# Altium PCB PCB2.PcbDoc (part 2 of 2)
Units mil, origin at the board's own origin, x right, y up, seen from the top; angles counter-clockwise.
Board outline 2933.07 x 1782.28 mil, 4 copper layers (Top Layer, GND, POW, Bottom Layer), stack 23.756 mil thick; 122 components, 169 nets, 601 pads, 330 vias.
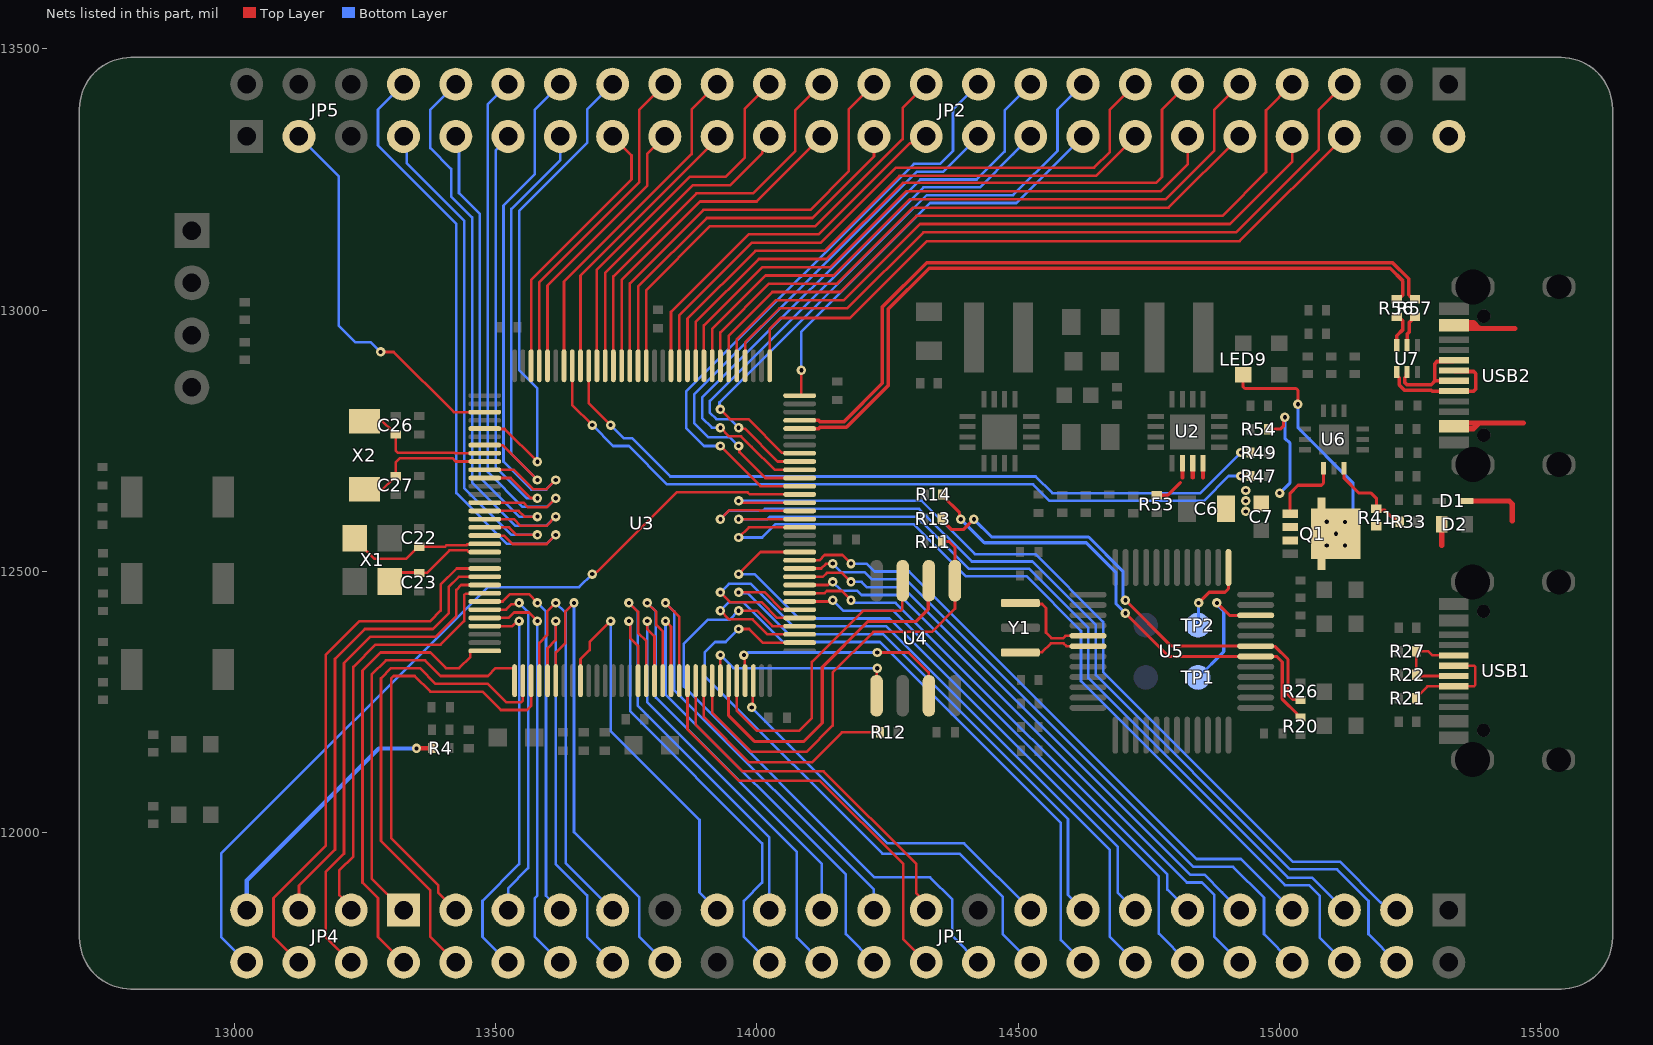
[diagram p4: the nets of this part, all layers, seen from the top]

## Via types
v1: diameter 18, hole 8, Top Layer to Bottom Layer, tented both sides, 326 vias
v2: diameter 196.85, hole 157.48, Top Layer to Bottom Layer, 4 vias

## Nets (pads, with @x,y where several pads share a name; then routed paths per layer and width w, separated by ;. In a path a pad name is that pad's centre, name@x,y a point inside that pad or via, vN(x,y) a via of type N, cw(c..) or ccw(c..) an arc to the next point about the centre after c; other vN are vias at no path point) (continued)
NetU5_5: U5.5 Y1.3 | length 186.7
  Top Layer w5: Y1.3@14503.83,12439.53 14505.65,12437.71 14545.59,12437.71 14553.1,12430.2 14553.1,12382.98 14563.5,12372.57 14586.16,12372.57 14590.4,12376.81 U5.5@14633.38,12376.81
NetU5_6: U5.6 Y1.1 | length 139.1
  Top Layer w5: Y1.1@14503.83,12345.04 14504.6,12345.8 14545.8,12345.8 14562.57,12362.57 14586.42,12362.57 14591.87,12357.13 U5.6@14633.38,12357.13
OSC32_IN: C26.2 U3.8 X2.2 | length 275.1
  Top Layer w5: X2.2@13248.83,12787.24 13283.87,12787.24 13301.49,12769.63 13301.49,12767.66 13306.86,12762.28 C26.2@13308.83,12762.28 13308.83,12731.17 13313.13,12726.87 13421.32,12726.87 13422.05,12726.14 U3.8@13479.25,12726.14
OSC32_OUT: C27.2 U3.9 X2.1 | length 274.5
  Top Layer w5: X2.1@13248.83,12657.32 13283.87,12657.32 13301.49,12674.94 13301.49,12676.91 13306.86,12682.28 C27.2@13308.83,12682.28 13308.83,12708.83 13316.87,12716.87 13417.17,12716.87 13423.65,12710.39 U3.9@13479.25,12710.39
OSC_IN: C22.2 U3.19 X1.1 | length 278.4
  Top Layer w5: X1.1@13230.37,12563.62 13230.37,12561.65 13268.02,12524 13328.58,12524 13351.86,12547.28 13403.36,12547.28 13406.42,12550.34 13444.39,12550.34 13446.19,12552.14 13478.47,12552.14 U3.19@13479.25,12552.91
OSC_OUT: C23.2 U3.20 X1.3 | length 208.5
  Top Layer w5: X1.3@13297.3,12480.94 13314.35,12498 13353.12,12498 C23.2@13353.83,12497.28 13368.4,12497.28 13411.45,12540.34 13445.37,12540.34 13447.76,12537.94 13478.47,12537.94 U3.20@13479.25,12537.17
PA0: JP1.37 U3.27 | length 682
  Top Layer w5: U3.27@13479.25,12426.93 13519.84,12426.93 13530.42,12437.51 13542.51,12437.51 v1(13545,12440)
  Bottom Layer w5: JP1.37@13523.83,11852.28 13523.83,11893.83 13562.29,11932.29 13562.29,12422.71 v1(13545,12440)
PA1: JP1.36 U3.28 | length 786.9
  Top Layer w5: U3.28@13479.25,12411.18 13524.8,12411.18 13535.12,12421.5 13563.5,12421.5 v1(13580,12405)
  Bottom Layer w5: v1(13580,12405) 13580,11880 13575,11875 13575,11801.12 JP1.36@13623.83,11752.28
PA2: JP1.38 U3.29 | length 771.7
  Top Layer w5: U3.29@13479.25,12395.43 13531.92,12395.43 13541.48,12405 v1(13545,12405)
  Bottom Layer w5: JP1.38@13523.83,11752.28 13475,11801.12 13475,11870 13545,11940 v1(13545,12405)
PA3: JP4.2 U3.32 | length 870.7
  Top Layer w5: JP4.2@13323.83,11752.28 13275,11801.12 13275,11875 13245.36,11904.64 13245.36,12310.36 13280,12345 13375,12345 13405,12315 13430,12315 13451.5,12336.5 13451.5,12346.32 13453.38,12348.19 U3.32@13479.25,12348.19
PA4: JP4.1 U3.33 | length 801.9
  Top Layer w5: JP4.1@13323.83,11852.28 13263.03,11913.08 13263.03,12303.03 13290,12330 13365,12330 13395,12300 13485,12300 13500,12315 13534.49,12315 13536.37,12313.13 U3.33@13536.37,12291.07
PA5: JP1.40 U3.34 | length 948.4
  Top Layer w5: JP1.40@13423.83,11752.28 13375,11801.12 13375,11890 13280.71,11984.29 13280.71,12295.71 13300,12315 13355,12315 13385,12285 13485,12285 13520,12250 13549.19,12250 13552.12,12252.93 U3.34@13552.12,12291.07
PA6: JP1.39 U3.35 | length 842.3
  Top Layer w5: JP1.39@13423.83,11852.28 13390,11886.12 13390,11900 13300,11990 13300,12295 13305,12300 13345,12300 13375,12270 13475,12270 13510,12235 13560,12235 13567.86,12242.86 U3.35@13567.86,12291.07
PA7: JP1.33 U3.36 | length 794.7
  Top Layer w5: U3.36@13583.61,12291.07 13583.61,12363.61 13598.5,12378.5 13598.5,12423.5 v1(13615,12440)
  Bottom Layer w5: v1(13615,12440) 13633.9,12421.1 13633.9,11942.22 JP1.33@13723.83,11852.28
PA8: JP2.15 U3.89 | length 1194.3
  Top Layer w5: v1(13930,12810) 13948.5,12791.5 13983.5,12791.5 14048.08,12726.92 14080.9,12726.92 U3.89@14081.67,12726.14
  Bottom Layer w5: v1(13930,12810) 13928.42,12811.58 13928.42,12823.57 14324.85,13220 14490.34,13220 14575,13304.66 14575,13383.45 JP2.15@14623.83,13432.28
PA13: JP2.16 U3.96 | length 818.5
  Top Layer w5: U3.96@14081.5,12836.21 U3.96@14081.67,12836.38 14083.13,12836.38 14085,12838.25 v1(14085,12885)
  Bottom Layer w5: v1(14085,12885) 14085,12958.93 14331.07,13205 14496.55,13205 14590,13298.45 JP2.16@14623.83,13332.28
PB2: JP1.29 U3.41 | length 775
  Top Layer w5: U3.41@13662.35,12291.07 13662.35,12332.12 13680,12349.77 13680,12365 v1(13720,12405)
  Bottom Layer w5: v1(13720,12405) 13720,12195 13890,12025 13890,11886.12 JP1.29@13923.83,11852.28
PB3: JP2.27 U3.118 | length 715.7
  Top Layer w5: U3.118@13693.85,12893.5 13693.85,13077.47 13871.37,13255 13940,13255 13976.37,13291.37 13976.37,13384.82 JP2.27@14023.83,13432.28
PB5: JP2.30 U3.120 | length 547.1
  Top Layer w5: U3.120@13662.35,12893.5 13662.35,13065.98 13923.83,13327.46 JP2.30@13923.83,13332.28
PB7: JP2.29 U3.122 | length 660.1
  Top Layer w5: U3.122@13630.86,12893.5 13630.86,13054.48 13875,13298.63 13875,13383.45 JP2.29@13923.83,13432.28
PB9: JP2.32 U3.124 | length 531.8
  Top Layer w5: U3.124@13599.36,12893.5 13599.36,13047.09 13790,13237.73 13790,13298.45 JP2.32@13823.83,13332.28
PB10: JP1.17 U3.62 | length 746.8
  Top Layer w5: v1(13990,12240) 13992.28,12242.28 13992.28,12290.3 U3.62@13993.06,12291.07
  Bottom Layer w5: v1(13990,12240) 14250,11980 14396.12,11980 JP1.17@14523.83,11852.28
PB12: JP1.18 U3.66 | length 1148.8
  Top Layer w5: v1(13965,12390) 13985,12390 14011.06,12363.94 U3.66@14081.67,12363.94
  Bottom Layer w5: v1(13965,12390) 13940,12365 13920,12365 13900,12345 13900,12300 14240,11960 14387.83,11960 14470,11877.83 14470,11806.12 JP1.18@14523.83,11752.28
PB13: JP1.16 U3.67 | length 1287.7
  Top Layer w5: v1(13930,12425) 13946.5,12408.5 13991.5,12408.5 14020.31,12379.69 U3.67@14081.67,12379.69
  Bottom Layer w5: v1(13930,12425) 13946.5,12441.5 13973.5,12441.5 14050,12365 14235,12365 14581.37,12018.63 14581.37,11794.75 JP1.16@14623.83,11752.28
PB14: JP1.20 U3.68 | length 1165.4
  Top Layer w5: v1(13965,12425) 14000,12425 14029.57,12395.43 U3.68@14081.67,12395.43
  Bottom Layer w5: v1(13965,12425) 13947.58,12407.58 13905.58,12407.58 13860,12362 13860,12280 14225,11915 14331.12,11915 14373.87,11872.25 14373.87,11802.25 JP1.20@14423.83,11752.28
PB15: JP1.14 U3.69 | length 1370
  Top Layer w5: v1(13930,12460) 13948.5,12441.5 14008.5,12441.5 14038.82,12411.18 U3.69@14081.67,12411.18
  Bottom Layer w5: v1(13930,12460) 13946.5,12476.5 13988.5,12476.5 14070,12395 14247.43,12395 14675,11967.43 14675,11801.12 JP1.14@14723.83,11752.28
PC0: JP4.6 U3.22 | length 1051.5
  Top Layer w5: JP4.6@13123.83,11752.28 13075,11801.12 13075,11875 13175,11975 13175,12340 13240,12405 13375,12405 13395,12425 13395,12475 13425.67,12505.67 U3.22@13479.25,12505.67
PC1: JP4.5 U3.23 | length 889.9
  Top Layer w5: JP4.5@13123.83,11852.28 13123.83,11898.83 13192.68,11967.68 13192.68,12332.68 13250,12390 13380,12390 13410,12420 13410,12470 13429.92,12489.92 U3.23@13479.25,12489.92
PC2: JP4.4 U3.24 | length 967.8
  Top Layer w5: JP4.4@13223.83,11752.28 13175,11801.12 13175,11925 13210,11960 13210,12325 13260,12375 13385,12375 13425,12415 13425,12465 13434.17,12474.17 U3.24@13479.25,12474.17
PC3: JP4.3 U3.25 | length 824.8
  Top Layer w5: JP4.3@13223.83,11852.28 13223.83,11857.85 13201.11,11880.57 13201.11,11928.44 13227.68,11955 13227.68,12317.68 13270,12360 13395,12360 13440,12405 13440,12454.72 13442.93,12457.65 13478.47,12457.65 U3.25@13479.25,12458.43
PC4: JP1.34 U3.37 | length 818.2
  Top Layer w5: U3.37@13599.36,12291.07 13599.36,12352.88 13615,12368.52 v1(13615,12405)
  Bottom Layer w5: v1(13615,12405) 13615,11940 13675,11880 13675,11801.12 JP1.34@13723.83,11752.28
PC5: JP1.32 U3.38 | length 923.1
  Top Layer w5: U3.38@13615.11,12291.07 13615.11,12345.11 13633.5,12363.5 13633.5,12423.5 v1(13650,12440)
  Bottom Layer w5: v1(13650,12440) 13650,12001.11 13775,11876.11 13775,11801.12 JP1.32@13823.83,11752.28
PC6: JP1.6 U3.80 | length 1744.1
  Top Layer w5: v1(13965,12565) 13984.41,12584.41 U3.80@14081.67,12584.41
  Bottom Layer w5: v1(13965,12565) 14010,12565 14035,12590 14300.29,12590 14399.39,12490.9 14515.35,12490.9 14620,12386.25 14620,12290 15010,11900 15056.12,11900 15076.37,11879.75 15076.37,11799.75 JP1.6@15123.83,11752.28
PC7: JP1.5 U3.81 | length 1645.8
  Top Layer w5: v1(13965,12600) 13965.08,12600.08 14081.6,12600.08 U3.81@14081.67,12600.16
  Bottom Layer w5: v1(13965,12600) 14020,12600 14025,12605 14305.29,12605 14405.25,12505.04 14521.21,12505.04 14634.14,12392.11 14634.14,12295.86 15015.86,11914.14 15061.97,11914.14 JP1.5@15123.83,11852.28
PC8: JP2.17 U3.87 | length 1190
  Top Layer w5: v1(13930,12775) 13946.5,12758.5 13969.83,12758.5 13990,12738.33 14033.69,12694.65 U3.87@14081.67,12694.65
  Bottom Layer w5: v1(13930,12775) 13913.67,12775 13895,12793.67 13895,12832.57 14312.43,13250 14420.34,13250 14473.87,13303.53 14473.87,13382.32 JP2.17@14523.83,13432.28
PC9: JP2.18 U3.88 | length 1056.4
  Top Layer w5: v1(13965,12775) 13966.67,12773.33 13976.67,12773.33 14039.61,12710.39 U3.88@14081.67,12710.39
  Bottom Layer w5: v1(13965,12775) 13948.5,12791.5 13922.17,12791.5 13910,12803.67 13910,12826.36 14318.64,13235 14426.55,13235 14490,13298.45 JP2.18@14523.83,13332.28
PC10: JP2.5 U3.100 | length 1440.2
  Top Layer w5: U3.100@13977.31,12893.5 13977.31,12937.91 14042.67,13003.27 14172.65,13003.27 14318.36,13148.98 14916.48,13148.98 15075,13307.5 15075,13383.45 JP2.5@15123.83,13432.28
PC11: JP2.8 U3.101 | length 1302.2
  Top Layer w5: U3.101@13961.56,12893.5 13961.56,12944.44 14036.14,13019.02 14166.12,13019.02 14311.84,13164.73 14904.73,13164.73 15023.83,13283.83 JP2.8@15023.83,13332.28
PC12: JP2.7 U3.102 | length 1404.2
  Top Layer w5: U3.102@13945.82,12893.5 13945.82,12950.96 14029.62,13034.76 14159.6,13034.76 14305.31,13180.48 14890.48,13180.48 14973.87,13263.87 14973.87,13382.32 JP2.7@15023.83,13432.28
PC13: JP2.36 U3.7 | length 845.3
  Top Layer w5: U3.7@13479.25,12741.89 13479.31,12741.83 13513.17,12741.83 v1(13580,12675)
  Bottom Layer w5: v1(13580,12675) 13530,12725 13530,13193.79 13623.83,13287.62 JP2.36@13623.83,13332.28
PD0: JP2.13 U3.108 | length 1199.6
  Top Layer w5: U3.108@13851.33,12893.5 13851.33,12990.1 13990.48,13129.25 14122.28,13129.25 14265.74,13272.72 14645,13272.72 14675,13302.72 14675,13383.45 JP2.13@14723.83,13432.28
PD1: JP2.22 U3.109 | length 730.4
  Top Layer w5: U3.109@13835.58,12893.5 13835.58,12996.62 13983.96,13145 14118.02,13145 14292,13318.97 14294.83,13318.97 14308.14,13332.28 JP2.22@14323.83,13332.28
PD2: JP2.21 U3.112 | length 878.4
  Top Layer w5: U3.112@13788.34,12893.5 13788.34,13038.34 13910.51,13160.51 14111.6,13160.51 14278.58,13327.5 14278.58,13387.03 JP2.21@14323.83,13432.28
PD3: JP2.24 U3.113 | length 744.2
  Top Layer w5: U3.113@13772.59,12893.5 13772.59,13044.86 13903.99,13176.26 14106.26,13176.26 14223.83,13293.83 JP2.24@14223.83,13332.28
PD4: JP2.23 U3.114 | length 852
  Top Layer w5: U3.114@13756.84,12893.5 13756.84,13051.38 13897.47,13192.01 14102.01,13192.01 14175.42,13265.42 14175.42,13383.87 JP2.23@14223.83,13432.28
PD5: JP2.26 U3.115 | length 660.8
  Top Layer w5: U3.115@13741.09,12893.5 13741.09,13057.9 13890.94,13207.76 13999.3,13207.76 JP2.26@14123.83,13332.28
PD6: JP2.25 U3.116 | length 767.3
  Top Layer w5: U3.116@13725.34,12893.5 13725.34,13064.43 13884.42,13223.5 13992.78,13223.5 14073.12,13303.84 14073.12,13381.57 JP2.25@14123.83,13432.28
PD7: JP2.28 U3.117 | length 610.7
  Top Layer w5: U3.117@13709.6,12893.5 13709.6,13070.95 13877.9,13239.25 13949.25,13239.25 14010.48,13300.48 14010.48,13303.24 14023.83,13316.59 JP2.28@14023.83,13332.28
PD8: JP1.15 U3.70 | length 1125.9
  Top Layer w5: v1(13965,12460) 14015,12460 14047.29,12427.71 14080.9,12427.71 U3.70@14081.67,12426.93
  Bottom Layer w5: v1(13965,12460) 13966.5,12458.5 13981.5,12458.5 14060,12380 14241.21,12380 14595,12026.21 14595,11881.12 JP1.15@14623.83,11852.28
PD9: JP1.12 U3.71 | length 1093.8
  Top Layer w5: U3.71@14081.67,12442.68 14142.68,12442.68 v1(14145,12445)
  Bottom Layer w5: v1(14145,12445) 14165,12425 14260,12425 14768.87,11916.13 14768.87,11807.25 JP1.12@14823.83,11752.28
PD10: JP1.11 U3.72 | length 1013.7
  Top Layer w5: U3.72@14081.67,12458.43 14129.64,12458.43 14133.89,12462.68 14162.32,12462.68 v1(14180,12445)
  Bottom Layer w5: v1(14180,12445) 14183.52,12445 14188.52,12440 14265,12440 14785,11920 14785,11891.12 JP1.11@14823.83,11852.28
PD11: JP1.10 U3.73 | length 1192.9
  Top Layer w5: U3.73@14081.67,12474.17 14135.66,12474.17 14141.48,12480 v1(14145,12480)
  Bottom Layer w5: v1(14145,12480) 14161.5,12463.5 14191.5,12463.5 14200,12455 14272.43,12455 14822.43,11905 14851.12,11905 14875,11881.12 14875,11801.12 JP1.10@14923.83,11752.28
PD12: JP1.9 U3.74 | length 1112.5
  Top Layer w5: U3.74@14081.67,12489.92 14126.25,12489.92 14133.71,12497.38 14162.62,12497.38 v1(14180,12480)
  Bottom Layer w5: v1(14180,12480) 14200,12480 14210,12470 14278.64,12470 14828.64,11920 14856.12,11920 14890,11886.12 JP1.9@14923.83,11852.28
PD13: JP1.8 U3.75 | length 1302.8
  Top Layer w5: U3.75@14081.67,12505.67 14122.77,12505.67 14131.88,12514.78 14144.78,12514.78 v1(14145,12515)
  Bottom Layer w5: v1(14145,12515) 14161.5,12498.5 14206.5,12498.5 14220,12485 14284.85,12485 14834.85,11935 14910.86,11935 14970,11875.86 14970,11806.12 JP1.8@15023.83,11752.28
PD14: JP1.7 U3.76 | length 1227.7
  Top Layer w5: U3.76@14081.67,12521.42 14119.28,12521.42 14129.36,12531.5 14163.5,12531.5 v1(14180,12515)
  Bottom Layer w5: v1(14180,12515) 14210,12515 14225,12500 14291.07,12500 14841.07,11950 14926.12,11950 14985.61,11890.51 JP1.7@15023.83,11852.28
PD15: JP1.13 U3.77 | length 1210.5
  Top Layer w5: v1(13965,12495) 14007.17,12537.17 U3.77@14081.67,12537.17
  Bottom Layer w5: v1(13965,12495) 13995,12495 14080,12410 14253.64,12410 14690,11973.64 14690,11886.12 JP1.13@14723.83,11852.28
PE0: JP2.31 U3.125 | length 638.3
  Top Layer w5: U3.125@13583.61,12893.5 13583.61,13053.61 13775,13245 13775,13383.45 JP2.31@13823.83,13432.28
PE1: JP2.34 U3.126 | length 533.4
  Top Layer w5: U3.126@13567.86,12893.5 13567.86,13057.86 13760,13250 13760,13296.12 JP2.34@13723.83,13332.28
PE4: JP5.3 U3.3 | length 741.5
  Top Layer w5: v1(13280,12920) 13305,12920 13420.12,12804.88 U3.3@13479.25,12804.88
  Bottom Layer w5: JP5.3@13123.83,13332.28 13200,13256.12 13200,12970 13231.5,12938.5 13261.5,12938.5 v1(13280,12920)
PE6: JP2.33 U3.5 | length 937.9
  Top Layer w5: U3.5@13479.25,12773.39 13480.02,12772.61 13517.39,12772.61 v1(13580,12710)
  Bottom Layer w5: v1(13580,12710) 13580,12850 13545,12885 13545,13190 13675,13320 13675,13383.45 JP2.33@13723.83,13432.28
PE7: JP1.23 U3.53 | length 912.8
  Top Layer w5: v1(13825,12440) 13842.3,12422.7 13851.33,12413.67 U3.53@13851.33,12291.07
  Bottom Layer w5: v1(13825,12440) 13841.5,12423.5 13841.5,12273.5 14223.72,11891.28 14223.72,11852.39 JP1.23@14223.83,11852.28
PE8: JP1.22 U3.54 | length 818.8
  Top Layer w5: U3.54@13867.08,12291.07 13867.08,12197.92 13965,12100 14120,12100 14280,11940 14280,11796.12 JP1.22@14323.83,11752.28
PE9: JP1.21 U3.55 | length 712.3
  Top Layer w5: U3.55@13882.82,12291.07 13882.82,12207.18 13972.32,12117.68 14127.32,12117.68 14305,11940 14305,11884.21 14323.83,11865.38 JP1.21@14323.83,11852.28
PF2: JP1.35 U3.26 | length 719.2
  Top Layer w5: U3.26@13479.25,12442.68 13513.53,12442.68 13527.35,12456.5 13563.5,12456.5 v1(13580,12440)
  Bottom Layer w5: v1(13580,12440) 13596.5,12423.5 13596.5,11879.62 JP1.35@13623.83,11852.28
PF3: JP2.35 U3.10 | length 1055.6
  Top Layer w5: U3.10@13479.25,12694.65 13534.43,12694.65 13571.63,12657.45 13597.45,12657.45 v1(13615,12675)
  Bottom Layer w5: v1(13615,12675) 13596.5,12656.5 13568.5,12656.5 13515,12710 13515,13200 13575,13260 13575,13383.45 JP2.35@13623.83,13432.28
PF4: JP2.38 U3.11 | length 863.9
  Top Layer w5: U3.11@13479.25,12678.9 13528.8,12678.9 13567.04,12640.66 13579.34,12640.66 v1(13580,12640)
  Bottom Layer w5: JP2.38@13523.83,13332.28 13523.83,13328.94 13500,13305.11 13500,12700 13560,12640 v1(13580,12640)
PF5: JP2.37 U3.14 | length 1069.6
  Top Layer w5: U3.14@13479.25,12631.65 13553.35,12631.65 13562.45,12622.55 13597.55,12622.55 v1(13615,12640)
  Bottom Layer w5: JP2.37@13523.83,13432.28 13484.84,13393.29 13484.84,13250.16 13485,13250 13485,12690 13551.5,12623.5 13598.5,12623.5 v1(13615,12640)
PF6: JP2.6 U3.97 | length 1322.7
  Top Layer w5: U3.97@14024.56,12893.5 14024.56,12964.56 14045,12985 14178.02,12985 14325,13131.97 14923.52,13131.97 JP2.6@15123.83,13332.28
PF7: JP2.40 U3.15 | length 917.7
  Top Layer w5: U3.15@13479.25,12615.91 13544.09,12615.91 13555,12605 v1(13580,12605)
  Bottom Layer w5: JP2.40@13423.83,13332.28 13430,13326.12 13430,13223.64 13470,13183.64 13470,12680 13545,12605 v1(13580,12605)
PF8: JP2.39 U3.16 | length 1165.3
  Top Layer w5: U3.16@13479.25,12600.16 13534.84,12600.16 13547.6,12587.4 13597.4,12587.4 v1(13615,12605)
  Bottom Layer w5: JP2.39@13423.83,13432.28 13375,13383.45 13375,13310 13415,13270 13415,13217.43 13455,13177.43 13455,12670 13537.42,12587.58 13597.58,12587.58 v1(13615,12605)
PF9: JP5.7 U3.17 | length 1004.4
  Top Layer w5: U3.17@13479.25,12584.41 13525.59,12584.41 13540,12570 v1(13580,12570)
  Bottom Layer w5: JP5.7@13323.83,13332.28 13330,13326.12 13330,13281.21 13440,13171.21 13440,12660 13530,12570 v1(13580,12570)
PF10: JP5.8 U3.18 | length 1251.6
  Top Layer w5: U3.18@13479.25,12568.66 13516.34,12568.66 13532.33,12552.67 13597.67,12552.67 v1(13615,12570)
  Bottom Layer w5: JP5.8@13323.83,13432.28 13275,13383.45 13275,13315 13425,13165 13425,12650 13522.2,12552.8 13597.8,12552.8 v1(13615,12570)
PF11: JP1.28 U3.48 | length 914.3
  Top Layer w5: v1(13755,12405) 13757.32,12402.68 13757.32,12372.68 13772.59,12357.41 U3.48@13772.59,12291.07
  Bottom Layer w5: v1(13755,12405) 13757.32,12402.68 13757.32,12232.68 14010,11980 14010,11905 13975,11870 13975,11801.12 JP1.28@14023.83,11752.28
PF12: JP1.27 U3.49 | length 861.8
  Top Layer w5: v1(13755,12440) 13772.57,12422.43 13772.57,12382.43 13788.34,12366.66 U3.49@13788.34,12291.07
  Bottom Layer w5: v1(13755,12440) 13772.04,12422.96 13772.04,12242.96 14023.83,11991.17 JP1.27@14023.83,11852.28
PF13: JP1.26 U3.50 | length 910.8
  Top Layer w5: v1(13790,12405) 13790,12390 13804.08,12375.92 U3.50@13804.08,12291.07
  Bottom Layer w5: v1(13790,12405) 13790,12250 14076.37,11963.63 14076.37,11799.75 JP1.26@14123.83,11752.28
PF14: JP1.25 U3.51 | length 887.3
  Top Layer w5: v1(13790,12440) 13807.44,12422.56 13807.44,12397.56 13819.83,12385.17 U3.51@13819.83,12291.07
  Bottom Layer w5: v1(13790,12440) 13806.5,12423.5 13806.5,12258.5 14123.83,11941.17 JP1.25@14123.83,11852.28
PF15: JP1.24 U3.52 | length 936.2
  Top Layer w5: v1(13825,12405) 13835.58,12394.42 U3.52@13835.58,12291.07
  Bottom Layer w5: v1(13825,12405) 13825,12265 14170,11920 14170,11806.12 JP1.24@14223.83,11752.28
PG0: JP1.4 U3.82 | length 1914.8
  Top Layer w5: v1(13930,12600) 13947.39,12617.39 14004.31,12617.39 14005.8,12615.91 U3.82@14081.67,12615.91
  Bottom Layer w5: v1(13930,12600) 13946.5,12616.5 14011.5,12616.5 14015,12620 14310.29,12620 14411.1,12519.19 14527.06,12519.19 14648.28,12397.96 14648.28,12301.72 15020,11930 15110,11930 15170,11870 15170,11806.12 JP1.4@15223.83,11752.28
PG1: JP1.3 U3.83 | length 1757.5
  Top Layer w5: v1(13965,12635) 13968.52,12635 13971.86,12631.65 U3.83@14081.67,12631.65
  Bottom Layer w5: v1(13965,12635) 14315.29,12635 14416.96,12533.33 14532.92,12533.33 14662.43,12403.82 14662.43,12307.57 15025,11945 15115,11945 15193.2,11866.8 15193.62,11866.8 15208.14,11852.28 JP1.3@15223.83,11852.28
PG2: JP4.8 U3.84 | length 1622.7
  Top Layer w5: v1(13685,12495) 13688.52,12495 13692.68,12499.17 13694.17,12499.17 13846.5,12651.5 13982.14,12651.5 13986.24,12647.4 U3.84@14081.67,12647.4
  Bottom Layer w5: JP4.8@13023.83,11752.28 12975,11801.12 12975,11960 13485,12470 13660,12470 v1(13685,12495)
PG3: JP2.19 U3.85 | length 1182
  Top Layer w5: v1(13930,12740) 14006.85,12663.15 U3.85@14081.67,12663.15
  Bottom Layer w5: v1(13930,12740) 13898.67,12740 13865,12773.67 13865,12845 14300,13280 14350.34,13280 14375,13304.66 14375,13383.45 JP2.19@14423.83,13432.28
PG4: JP2.20 U3.86 | length 1054.3
  Top Layer w5: v1(13965,12740) 13966.67,12738.33 13966.67,12728.33 14016.1,12678.9 U3.86@14081.67,12678.9
  Bottom Layer w5: v1(13965,12740) 13948.5,12756.5 13907.17,12756.5 13880,12783.67 13880,12838.79 14306.21,13265 14356.55,13265 14390,13298.45 JP2.20@14423.83,13332.28
PG5: JP2.10 U3.103 | length 1213
  Top Layer w5: U3.103@13930.07,12893.5 13930.07,12957.48 14023.1,13050.51 14153.08,13050.51 14298.79,13196.22 14787.77,13196.22 JP2.10@14923.83,13332.28
PG6: JP2.9 U3.104 | length 1319.5
  Top Layer w5: U3.104@13914.32,12893.5 13914.32,12964 14016.58,13066.26 14146.55,13066.26 14292.27,13211.97 14781.25,13211.97 14875,13305.72 14875,13383.45 JP2.9@14923.83,13432.28
PG7: JP2.12 U3.105 | length 1183.4
  Top Layer w5: U3.105@13898.57,12893.5 13898.57,12970.53 14010.05,13082.01 14140.03,13082.01 14285.74,13227.72 14772.72,13227.72 14823.83,13278.83 JP2.12@14823.83,13332.28
PG8: JP2.11 U3.106 | length 1288.4
  Top Layer w5: U3.106@13882.82,12893.5 13882.82,12977.05 14003.53,13097.76 14133.51,13097.76 14279.22,13243.47 14763.47,13243.47 14775,13255 14775,13383.45 JP2.11@14823.83,13432.28
PG9: JP2.14 U3.107 | length 1091.3
  Top Layer w5: U3.107@13867.08,12893.5 13867.08,12983.57 13997.01,13113.5 14128.8,13113.5 14272.27,13256.97 14648.52,13256.97 JP2.14@14723.83,13332.28
QSPI_CLK: R12.1 U3.56 | length 466
  Top Layer w5: U3.56@13898.57,12291.07 13898.57,12221.43 13985,12135 14105,12135 14162.28,12192.28 R12.1@14235.37,12192.28
QSPI_CS: R11.2 U3.57 U4.1 | length 876.4
  Top Layer w5: U3.57@13914.32,12291.07 13914.32,12230.68 13990,12155 14095,12155 14145,12205 14145,12307.09 14222.54,12384.63 14334.63,12384.63 14378.83,12428.83 U4.1@14378.83,12482.28 14378.83,12546.17 14367.72,12557.28 R11.2@14353.83,12557.28
QSPI_IO0: U3.58 U4.5 | length 417.5
  Top Layer w5: U3.58@13930.03,12291.1 v1(13930,12340) ; U4.5@14228.83,12262.28 14229.42,12262.87 14229.42,12319.42 v1@14230,12320
  Bottom Layer w5: v1(13930,12340) 13955,12315 v1(14230,12315)
QSPI_IO1: U3.59 U4.2 | length 691.6
  Top Layer w6: U3.59@13945.82,12291.07 13945.82,12224.18 13995,12175 14090,12175 14125,12210 14125,12317.09 14212.54,12404.63 14304.63,12404.63 14327.71,12427.71 14327.71,12481.16 U4.2@14328.83,12482.28
QSPI_IO2: U3.60 U4.3 | length 604
  Top Layer w5: U3.60@13961.56,12291.07 13961.56,12233.44 14000,12195 14080,12195 14105,12220 14105,12327.09 14202.54,12424.63 14274.84,12424.63 14277.77,12427.55 14277.77,12481.22 U4.3@14278.83,12482.28
QSPI_IO3: U3.61 U4.7 | length 466
  Top Layer w5: v1(13975,12340) 13976.54,12338.46 13976.54,12291.85 U3.61@13977.31,12291.07 ; v1(14230,12345) 14290.34,12345 14328.49,12306.85 14328.49,12262.63 U4.7@14328.83,12262.28
  Bottom Layer w5: v1(13975,12340) 13978.52,12340 13983.52,12345 v1(14230,12345)
SENSE: R33.2 R41.1 U6.6 | length 173.1
  Top Layer w6: U6.6@15123.4,12697.48 15123.4,12678.47 15151.87,12650 15175,12650 15185,12640 R41.1@15185,12620 15187.19,12617.81 15200.33,12617.81 15216.29,12601.84 15225.13,12601.84 15230,12596.97 R33.2@15230,12595
ST_RX: R13.1 R26.1 U5.31 | length 917
  Top Layer w6: R13.1@14353.63,12600.87 14353.63,12598.9 14372.53,12580 14395,12580 v1(14415,12600) ; v1(14705,12445) 14792.87,12357.13 U5.31@14954.28,12357.13 14955.24,12356.17 14991.7,12356.17 15016,12331.87 15016,12264 15025,12255 15039.25,12255 R26.1@15040,12254.25
  Bottom Layer w6: v1(14415,12600) 14448.98,12566 14634.56,12566 14700,12500.56 14700,12453.25 14705,12448.25 v1(14705,12445)
ST_SWCLK: TP2.1 U5.37 | length 152.2
  Top Layer w6: v1(14845,12440) 14865.33,12460.33 14895.33,12460.33 14902.1,12467.1 U5.37@14902.1,12507.73
  Bottom Layer w6: TP2.1@14843.83,12397.28 14844.42,12397.87 14844.42,12439.42 v1(14845,12440)
ST_SWDIO: TP1.1 U5.34 | length 252.9
  Top Layer w6: v1(14880,12440) 14903.99,12416.01 14954.11,12416.01 U5.34@14954.28,12416.18
  Bottom Layer w6: TP1.1@14843.83,12297.28 14893.16,12346.61 14893.16,12423.6 14880,12436.75 v1(14880,12440)
ST_TX: R14.1 R20.1 U5.30 | length 947
  Top Layer w6: R14.1@14354.58,12647.29 14354.58,12645.32 14387.7,12612.2 14387.7,12602.3 v1(14390,12600) ; v1(14705,12420) 14787.56,12337.44 U5.30@14954.28,12337.44 14994.39,12337.44 15005,12326.83 15005,12255.75 15033.16,12227.59 15033.16,12225.63 15038.03,12220.75 R20.1@15040,12220.75
  Bottom Layer w6: v1(14390,12600) 14435,12555 14630,12555 14687.12,12497.88 14687.12,12437.88 v1(14705,12420)
USB_DEBUG_N: R21.2 USB1.A7 USB1.B7 | length 200.5
  Top Layer w5: R21.2@15261.55,12259.25 15282.67,12280.38 USB1.B7@15333.2,12280.38 15371.39,12280.38 15374.32,12283.31 15374.32,12316.82 15371.39,12319.75 USB1.A7@15333.2,12319.75
  Top Layer w6: R21.2@15261.55,12257.28 R21.2@15261.55,12259.25
USB_DEBUG_P: R22.2 R27.1 USB1.A6 USB1.B6 | length 192.5
  Top Layer w5: R22.2@15261.55,12302.28 R27.1@15261.55,12347.28 15284.57,12347.28 15292.42,12339.44 USB1.B6@15333.2,12339.44 ; R22.2@15263.76,12300.07 USB1.A6@15333.2,12300.07
  Top Layer w6: R22.2@15261.55,12302.28 R22.2@15263.76,12300.07
USB_N: R56.1 U3.92 | length 1418.8
  Top Layer w6.89: U3.92@14081.67,12773.39 14117.95,12773.39 14120.37,12775.81 14171.22,12775.81 14250.89,12855.49 14250.89,13001.47 14329.42,13080 15211.45,13080 15235.89,13055.56 15235.89,13029.21 15231.85,13025.18 15228.26,13025.18 R56.1@15223.83,13020.75
USB_P: R57.1 U3.93 | length 1436.8
  Top Layer w6.89: U3.93@14081.67,12789.13 14118.23,12789.13 14120.66,12786.7 14166.7,12786.7 14240,12860 14240,13005.98 14324.91,13090.89 15215.96,13090.89 15246.78,13060.07 15246.78,13029.21 15250.81,13025.18 15254.4,13025.18 R57.1@15258.83,13020.75
USB_PD_CC1: R47.1 U3.121 | length 1468.4
  Top Layer w5: U3.121@13646.6,12893.5 13646.6,12818.4 v1(13685,12780)
  Top Layer w6: v1(14925.89,12682.6) R47.1@14944.25,12682.6
  Bottom Layer w5: v1(13685,12780) 13725,12740 13755,12740 13828.26,12666.74 14528.26,12666.74 14560,12635 14855,12635 14902.6,12682.6 v1(14925.89,12682.6)
USB_PD_CC2: R49.1 U3.119 | length 1441.1
  Top Layer w5: U3.119@13678.1,12893.5 13678.1,12821.9 v1(13720,12780)
  Top Layer w6: v1(14925.89,12727.6) R49.1@14944.25,12727.6
  Bottom Layer w5: v1(13720,12780) 13745,12755 13761.21,12755 13834.49,12681.73 14533.27,12681.73 14565,12650 14848.29,12650 v1(14925.89,12727.6)
USB_PD_N: U7.1 USB2.A7 USB2.B7 | length 252.8
  Top Layer w6.89: U7.1@15224.15,12881.69 15224.15,12874.8 15228.54,12870.41 15228.54,12856.93 15238.96,12846.51 15290.27,12846.51 15291.73,12845.05 15370.96,12845.05 15375,12849.09 15375,12878.64 15370.96,12882.67 15335.54,12882.67 USB2.A7@15333.79,12884.42
USB_PD_P: U7.2 USB2.A6 USB2.B6 | length 193.4
  Top Layer w6.89: U7.2@15243.83,12881.69 15242.36,12880.22 15242.36,12873.33 15239.43,12870.41 15239.43,12861.44 15243.47,12857.4 15289.76,12857.4 15297.09,12864.74 ; USB2.A6@15333.79,12864.74 15297.09,12864.74 ; USB2.B6@15333.79,12904.11 15331.33,12901.65 15301.13,12901.65 15297.09,12897.61 15297.09,12864.74
USB_R_N: R56.2 U7.6 | length 66.4
  Top Layer w6.89: R56.2@15223.83,12987.28 15228.26,12982.85 15231.85,12982.85 15235.89,12978.82 15235.89,12962.97 15224.15,12951.23 U7.6@15224.15,12932.87
USB_R_P: R57.2 U7.5 | length 61.8
  Top Layer w6.89: U7.5@15243.83,12932.87 15243.83,12954.1 15247.92,12958.19 15247.92,12976.37 15252.43,12980.89 15252.43,12982.85 15256.86,12987.28 R57.2@15258.83,12987.28
VCC_DP_IN: D1.1 D2.2 LED9.1 Q1.3 R41.2 USB2.A4 USB2.A9 USB2.B4 USB2.B9 | length 1084.2
  Top Layer w6: LED9.1@14930,12875.97 14930,12853.51 14933.51,12850 15031.49,12850 15035,12846.49 v1@15035,12824.14
  Top Layer w10: Q1.3@15080.04,12513.54 15080.04,12544.65 v1(15107.6,12572.2) 15080.04,12599.76 Q1.3@15080.04,12630.87 ; 15310,12550 D2.2@15310,12590 ; USB2.A4@15333.79,12772.22 15334.7,12773.12 15370.77,12773.12 15373.79,12776.15 15381.24,12783.6 15380.81,12784.03 ; USB2.B9@15333.79,12784.03 15380.81,12784.03 ; USB2.B4@15333.79,12965.13 15381.67,12965.13 ; USB2.A9@15333.79,12976.94 15334.7,12976.04 15370.77,12976.04 15381.67,12965.13 ; D1.1@15358.15,12635 15439.14,12635 15445,12629.14 15445,12596.85 ; 15450,12965 15381.8,12965 15381.67,12965.13 ; 15466.49,12784.03 15380.81,12784.03
  Bottom Layer w6: v1(15035,12820) 15035,12775 15140,12670 15140,12609.21 v1(15125.2,12594.41)
  other v1: 15090,12550 15125,12550 15090,12595
VCC_DP_OUT: C6.2 C7.2 JP2.2 Q1.2 R53.1 R54.1 U2.10 U2.11 U2.12 U6.4 | length 484.1
  Top Layer w6: R53.1@14765,12645.75 14785.75,12645.75 14810,12670 ; R54.1@14977.71,12772.28 15001.49,12772.28 15007.7,12778.5 15007.7,12792.7 v1(15010,12795) ; Q1.2@15020,12610.59 15020,12650 15035,12665 15080,12665 15084.03,12669.03 U6.4@15084.03,12697.48
  Top Layer w8: 14813.99,12680 U2.10@14813.99,12707.28 ; 14833.67,12680 U2.11@14833.67,12707.28 ; 14853.36,12680 U2.12@14853.36,12707.28
  Bottom Layer w6: v1(15000,12650) 15020,12670 15020,12745 15010,12755 v1(15010,12795)
  other v1: 14935,12615 14935,12635 14935,12655
VREFP: JP4.7 R4.1 | length 515.2
  Top Layer w8: v1(13348.6,12161.42) 13349.03,12161.85 R4.1@13377.65,12161.85
  Bottom Layer w8: JP4.7@13023.83,11852.28 13023.83,11908.83 13276.42,12161.42 v1(13348.6,12161.42)
pads on no net: U5.2 U5.3 U5.4 U5.10 U5.11 U5.13 U5.15 U5.17 U5.18 U5.19 U5.20 U5.21 U5.22 U5.26 U5.27 U5.28 U5.29 U5.38 U5.39 U5.40 U5.41 U5.42 U5.43 U5.46 USB1.0 USB1.A8 USB1.B8 USB2.0 USB2.A8 USB2.B8

## Polygon pours and split planes (outlines as drawn)
GND on Top Layer "NONET_L-01_P-001" (solid, remove dead copper, pour order 12): 12703.83,11701.14 15636.9,11701.14 15636.9,13483.42 12703.83,13483.43
3V3 on Top Layer "Top Layer-3V3" (solid, pour order 11): 14435,12880 14435,13015 14395,13015 14395,12970 14375,12950 14300,12950 14290,12940 14290,12795 14300,12785 14320,12785 14365,12785 14375,12795 14375,12835 14365,12845 14330,12845 14330,12875.33 14334.67,12880
5V on Top Layer "NONET_L-01_P-001" (solid, pour order 5): 14610.46,12860.46 14630,12880 14630,12935 14575,12935 14559.18,12919.18 14559.18,12744.18 14500,12685 14450,12685 14445,12680 14445,12674.18 14462.97,12656.22 14517.88,12656.22 14531.66,12670 14555,12670 14610.46,12725.46
5V_IN on Top Layer "NONET_L-01_P-001" (solid, pour order 9): 15390,12226.49 15401.49,12215 15425,12215 15440,12230 15440,12385 15425,12400 15405,12400 15390,12385
VCC_DP_OUT on Top Layer "NONET_L-01_P-001" (solid, pour order 1): 14985,12550 15030,12550 15030,12635 15000,12665 14890,12665 14870,12685 14809.55,12685 14800,12675.45 14800,12660 14810,12650 14845,12650 14860,12635 14860,12615 14870,12605 14985,12605
5V_IN on Top Layer "NONET_L-01_P-001" (solid, pour order 4): 14790,12875 14751.06,12836.06 14683.2,12836.06 14670,12849.27 14670,12870 14665,12875 14655,12875 14645,12885 14645,13010 14655,13020 14785,13020 14790,13015
NetL1_1 on Top Layer "NONET_L-01_P-001" (solid, pour order 3): 14445,12855 14500,12855 14530,12885 14530,13015 14470,13015 14470,12890 14445,12865
NetL2_1 on Top Layer "NONET_L-01_P-001" (solid, pour order 2): 14805,12855 14865,12855 14875,12865 14875,13015 14830,13015 14830,12905 14805,12880
VCC_DP_IN on Top Layer "NONET_L-01_P-001" (solid, pour order 0): 15130,12525 15145,12510 15420,12510 15480,12570 15480,13000 15420,13000 15420,12613.48 15371.52,12565 15230,12565 15190,12605 15170,12605 15155,12620 15130,12620
GND on Bottom Layer "NONET_L-01_P-001" (solid, remove dead copper, pour order 13): 12703.83,11701.14 15636.9,11701.14 15636.9,13483.42 12703.83,13483.43
VCC_DP_OUT on POW (split plane): 15379.9,13352.89 15379.9,12737.11 15232.89,12590.1 14892.11,12590.1 14790.1,12692.11 14790.1,12727.89 14862.11,12799.9 15120,12799.9 15121.95,12800.29 15123.6,12801.4 15278.6,12956.4 15279.71,12958.05 15280.1,12960 15280.1,13352.89 15307.11,13379.9 15352.89,13379.9
5V_IN on POW (split plane): 14779.9,12967.89 14779.9,12730 14779.9,12720 14779.9,12690 14780.29,12688.05 14781.4,12686.4 14886.4,12581.4 14888.05,12580.29 14890,12579.9 15232.89,12579.9 15291.4,12521.4 15435.09,12377.7 15435.09,12197.3 15412.89,12175.1 15322.11,12175.1 15280.1,12217.11 15280.1,12365 15279.71,12366.95 15278.6,12368.6 15208.6,12438.6 15173.6,12473.6 15171.95,12474.71 15170,12475.1 14862.33,12475.1 14695.1,12642.33 14695.1,12967.89 14707.11,12979.9 14767.89,12979.9
3V3 on POW (split plane): 15546.16,13463.04 15553.78,13461.91 15561.24,13460.04 15568.49,13457.45 15575.44,13454.16 15582.05,13450.2 15588.23,13445.62 15593.93,13440.45 15599.1,13434.75 15603.68,13428.57 15607.64,13421.97 15610.93,13415.01 15613.52,13407.76 15615.39,13400.3 15616.52,13392.69 15616.87,13385.62 15616.81,13385 15616.81,11799.57 15616.87,11798.95 15616.52,11791.88 15615.39,11784.27 15613.52,11776.8 15610.93,11769.56 15607.64,11762.6 15603.68,11756 15599.1,11749.82 15593.93,11744.12 15588.23,11738.95 15582.05,11734.36 15575.44,11730.41 15568.49,11727.12 15561.24,11724.52 15553.78,11722.65 15546.16,11721.52 15539.1,11721.18 15538.48,11721.24 12802.26,11721.24 12801.64,11721.18 12794.57,11721.52 12786.96,11722.65 12779.49,11724.52 12772.25,11727.12 12765.29,11730.41 12758.69,11734.36 12752.51,11738.95 12746.81,11744.12 12741.64,11749.82 12737.05,11756 12733.1,11762.6 12729.81,11769.56 12727.21,11776.8 12725.34,11784.27 12724.21,11791.88 12723.87,11798.95 12723.93,11799.57 12723.93,13385 12723.87,13385.62 12724.21,13392.69 12725.34,13400.3 12727.21,13407.76 12729.81,13415.01 12733.1,13421.97 12737.05,13428.57 12741.64,13434.75 12746.81,13440.45 12752.51,13445.62 12758.69,13450.2 12765.29,13454.16 12772.25,13457.45 12779.49,13460.04 12786.96,13461.91 12794.57,13463.04 12801.64,13463.39 12802.26,13463.33 15538.48,13463.33 15539.1,13463.39
GND on GND (split plane): 15546.16,13463.04 15553.78,13461.91 15561.24,13460.04 15568.49,13457.45 15575.44,13454.16 15582.05,13450.2 15588.23,13445.62 15593.93,13440.45 15599.1,13434.75 15603.68,13428.57 15607.64,13421.97 15610.93,13415.01 15613.52,13407.76 15615.39,13400.3 15616.52,13392.69 15616.87,13385.62 15616.81,13385 15616.81,11799.57 15616.87,11798.95 15616.52,11791.88 15615.39,11784.27 15613.52,11776.8 15610.93,11769.56 15607.64,11762.6 15603.68,11756 15599.1,11749.82 15593.93,11744.12 15588.23,11738.95 15582.05,11734.36 15575.44,11730.41 15568.49,11727.12 15561.24,11724.52 15553.78,11722.65 15546.16,11721.52 15539.1,11721.18 15538.48,11721.24 12802.26,11721.24 12801.64,11721.18 12794.57,11721.52 12786.96,11722.65 12779.49,11724.52 12772.25,11727.12 12765.29,11730.41 12758.69,11734.36 12752.51,11738.95 12746.81,11744.12 12741.64,11749.82 12737.05,11756 12733.1,11762.6 12729.81,11769.56 12727.21,11776.8 12725.34,11784.27 12724.21,11791.88 12723.87,11798.95 12723.93,11799.57 12723.93,13385 12723.87,13385.62 12724.21,13392.69 12725.34,13400.3 12727.21,13407.76 12729.81,13415.01 12733.1,13421.97 12737.05,13428.57 12741.64,13434.75 12746.81,13440.45 12752.51,13445.62 12758.69,13450.2 12765.29,13454.16 12772.25,13457.45 12779.49,13460.04 12786.96,13461.91 12794.57,13463.04 12801.64,13463.39 12802.26,13463.33 15538.48,13463.33 15539.1,13463.39

## Keep-outs
Keep-Out Layer:
  the board outline again, w10

## Other copper
Top Layer:
  pour cut-out: 14389.59,13011.46 14398.54,13020.41 14530,13020.41 14535.41,13015
  pour cut-out: 14785,13025.41 14790,13020.41 14830,13020.41 14830,12911.58 14800.41,12881.99
GND (plane layer: these items are gaps in the copper):
  region: 14890,12865 14890,13030 14725,13030 14725,12865
  region: 14545,12865 14545,13030 14380,13030 14380,12865
POW (plane layer: these items are gaps in the copper):
  lines w10: 14785,12720 14785,12730 ; 14785,12730 14785,12690 14890,12585 15235,12585 ; 14785,12730 14785,12970 14770,12985 14705,12985 14690,12970 14690,12640.21 14860.21,12470 15170,12470 15205,12435 15275,12365 15275,12215 15320,12170 15415,12170 15440.18,12195.18 15440.18,12379.82 15295,12525 15235,12585 ; 14785,12730 14860,12805 15120,12805 15275,12960 15275,13355 15305,13385 15355,13385 15385,13355 15385,12735 15235,12585

## Silkscreen, mask and mechanical layers (free items; w line width, h text height)
Top Overlay:
  region: 13225,12385 13175,12435 13170,12435 13170,12380
  lines w7.5: 12735.89,12852.35 12750.72,12837.52 12868.83,12837.52 12868.83,12867.05 12750.72,12867.05 12735.96,12852.28 ; 12735.89,12952.35 12750.72,12937.52 12868.83,12937.52 12868.83,12967.05 12750.72,12967.05 12735.96,12952.28 ; 12735.89,13052.35 12750.72,13037.52 12868.83,13037.52 12868.83,13067.05 12750.72,13067.05 12735.96,13052.28 ; 12735.89,13152.35 12750.72,13137.52 12868.83,13137.52 12868.83,13167.05 12750.72,13167.05 12735.96,13152.28 ; 12868.83,13152.28 12868.83,13102.28 12868.83,13052.28 12868.83,13002.28 12868.83,12952.28 12868.83,12902.28 12868.83,12852.28 12868.83,12802.28 ; 12918.83,13202.28 12947.08,13202.28 12968.83,13180.53 12968.83,13146.28 ; 12868.83,12802.28 12868.83,13202.28 12968.83,13202.28 12968.83,12802.28 12868.83,12802.28
  text "5V" at 15243.17,13187.28 h62 r90
  text "5V" at 15343.17,13187.28 h62 r90
  text "GND" at 12738.46,13183.04 h60
  text "E5" at 13143.17,13167.28 h62 r90
  text "E3" at 13243.11,13167.28 h62 r90
  text "F10" at 13343.17,13167.28 h62 r90
  text "F8" at 13443.17,13167.28 h62 r90
  text "F5" at 13543.17,13167.28 h62 r90
  text "F3" at 13643.11,13167.28 h62 r90
  text "E6" at 13743.17,13167.28 h62 r90
  text "E0" at 13843.17,13167.28 h62 r90
  text "B7" at 13943.83,13167.28 h62 r90
  text "B3" at 14043.11,13167.28 h62 r90
  text "D6" at 14143.17,13167.28 h62 r90
  text "D4" at 14243.83,13167.28 h62 r90
  text "D2" at 14343.83,13167.28 h62 r90
  text "G3" at 14443.11,13167.28 h62 r90
  text "C8" at 14543.17,13167.28 h62 r90
  text "A8" at 14643.17,13167.25 h62 r90
  text "D0" at 14743.17,13167.28 h62 r90
  text "G8" at 14843.17,13167.28 h62 r90
  text "G6" at 14943.17,13167.28 h62 r90
  text "C12" at 15043.17,13167.28 h62 r90
  text "C10" at 15143.17,13167.28 h62 r90
  text "PD-USB" at 15381.21,13105.92 h70
  text "GND" at 13043.17,13087.28 h62 r90
  text "CLK" at 12748.37,13083.04 h60
  text "DP" at 15343.83,13075.79 h62 r90
  text "E4" at 13143.83,13052.28 h62 r90
  text "E2" at 13243.83,13052.28 h62 r90
  text "F9" at 13343.17,13052.28 h62 r90
  text "F7" at 13443.83,13052.28 h62 r90
  text "F4" at 13543.83,13052.28 h62 r90
  text "C13" at 13643.11,13052.28 h62 r90
  text "E1" at 13743.83,13052.28 h62 r90
  text "B9" at 13843.17,13052.28 h62 r90
  text "B5" at 13943.17,13052.28 h62 r90
  text "D7" at 14043.83,13052.28 h62 r90
  text "D5" at 14143.17,13052.28 h62 r90
  text "D3" at 14243.11,13052.28 h62 r90
  text "D1" at 14343.83,13052.28 h62 r90
  text "G4" at 14443.17,13052.28 h62 r90
  text "C9" at 14543.17,13052.28 h62 r90
  text "A13" at 14643.11,13052.25 h62 r90
  text "G9" at 14743.17,13052.28 h62 r90
  text "G7" at 14843.17,13052.28 h62 r90
  text "G5" at 14943.17,13052.28 h62 r90
  text "C11" at 15043.17,13052.28 h62 r90
  text "F6" at 15143.17,13052.28 h62 r90
  text "GND" at 15243.17,13052.28 h62 r90
  text "DIO" at 12758.99,12983.04 h60
  text "DP" at 14950,12960 h60 r90
  text "PW" at 15020,12960 h60 r90
  text "3V3" at 12757.4,12883.1 h60
  text "SWD" at 12733.19,12780.8 h60
  text "BOOT" at 13048.19,12577.28 h60 r90
  text "L2" at 15205,12445 h55 r90
  text "NRST" at 13048.19,12412.28 h60 r90
  text "L1" at 15205,12375 h55 r90
  text "KEY" at 13048.83,12262.28 h60 r90
  text "RX" at 15205,12247 h55 r90
  text "TX" at 15205,12168 h55 r90
  text "STM32G474开发板" at 13176.11,12160 h110 r90
  text "MADE Z" at 13225,12160 h65 r90
  text "G" at 12804.36,12155 h60 r90
  text "DEBUG" at 15390,12045.75 h70
  text "REF" at 13043.83,12032.28 h62 r90
  text "C1" at 13143.17,12032.28 h62 r90
  text "C3" at 13243.11,12032.28 h62 r90
  text "A4" at 13343.83,12032.25 h62 r90
  text "A6" at 13443.17,12032.25 h62 r90
  text "A0" at 13543.17,12032.25 h62 r90
  text "F2" at 13643.83,12032.28 h62 r90
  text "A7" at 13743.83,12032.25 h62 r90
  text "B0" at 13843.17,12032.28 h62 r90
  text "B2" at 13943.83,12032.28 h62 r90
  text "F12" at 14043.83,12032.28 h62 r90
  text "F14" at 14143.83,12032.28 h62 r90
  text "E7" at 14243.83,12032.28 h62 r90
  text "E9" at 14343.17,12032.28 h62 r90
  text "B11" at 14443.83,12032.28 h62 r90
  text "B10" at 14543.17,12032.28 h62 r90
  text "D8" at 14643.17,12032.28 h62 r90
  text "D15" at 14743.17,12032.28 h62 r90
  text "D10" at 14843.17,12032.28 h62 r90
  text "D12" at 14943.83,12032.28 h62 r90
  text "D14" at 15043.83,12032.28 h62 r90
  text "C7" at 15143.17,12032.28 h62 r90
  text "G1" at 15243.17,12032.28 h62 r90
  text "R" at 12805,12020 h60 r90
  text "3V3" at 15343.11,11967.28 h62 r90
  text "G2" at 13043.17,11917.28 h62 r90
  text "C0" at 13143.17,11917.28 h62 r90
  text "C2" at 13243.17,11917.28 h62 r90
  text "A3" at 13343.11,11917.25 h62 r90
  text "A5" at 13443.17,11917.25 h62 r90
  text "A2" at 13543.83,11917.25 h62 r90
  text "A1" at 13643.83,11917.25 h62 r90
  text "C4" at 13743.17,11917.28 h62 r90
  text "C5" at 13843.17,11917.28 h62 r90
  text "B1" at 13943.83,11917.28 h62 r90
  text "F11" at 14043.83,11917.28 h62 r90
  text "F13" at 14143.11,11917.28 h62 r90
  text "F15" at 14243.17,11917.28 h62 r90
  text "E8" at 14343.17,11917.28 h62 r90
  text "B14" at 14443.83,11917.28 h62 r90
  text "B12" at 14543.83,11917.28 h62 r90
  text "B13" at 14643.11,11917.28 h62 r90
  text "B15" at 14743.17,11917.28 h62 r90
  text "D9" at 14843.17,11917.28 h62 r90
  text "D11" at 14943.83,11917.28 h62 r90
  text "D13" at 15043.11,11917.28 h62 r90
  text "C6" at 15143.17,11917.28 h62 r90
  text "G0" at 15243.17,11917.28 h62 r90
Bottom Overlay:
  drawing of 3281 lines, arcs and shapes, not listed
  text "STM32G474开发板" at 14481,13058.66 h190
  text "FOC brushless motor driver" at 13776.02,12980 h67
  text "Part1. Main control core" at 13720,12925.63 h62
  text "板载DAP下载器 / USB-PD控制器" at 14450,12855 h100
  text "SWD" at 12741.85,12845 h160 r270
  text "USB-PD" at 14385,12701.89 h60
  text "POW" at 13668.86,12700.42 h60
  text "MCU" at 13695,12441.11 h100
  text "DAP / 下载器" at 14414.11,12390 h100
  text "VERsion" at 15270.12,12364.98 h100
  text "[ 1.0 ]" at 15270,12268.02 h100
  text "Type-C" at 14372.25,12211.59 h60
  text "Made By Z" at 15277.56,12120 h100
  text "MR.Z" at 12850,11980 h120 r270
  text "Studio" at 12751.28,11960 h120 r270
Mechanical 1:
  lines w10: 12703.83,11799.57 ccw(c12802.26,11799.57) 12802.26,11701.14 15538.48,11701.14 ccw(c15538.48,11799.57) 15636.9,11799.57 15636.9,13385 ccw(c15538.48,13385) 15538.48,13483.43 12802.26,13483.43 ccw(c12802.26,13385) 12703.83,13385 12703.83,11799.57 ; 15005.29,12649.17 15202.14,12649.17 15202.14,12846.02 15005.29,12846.02 15005.29,12649.17